# Altium PCB EE209_PCB.PcbDoc
Units mm, origin at the board's own origin, x right, y up, seen from the top; angles counter-clockwise.
Board outline 113 x 97.79 mm, 2 copper layers (Top Layer, Bottom Layer); 55 components, 37 nets, 195 pads, 1 vias.
Unrouted connection lines stored in the file: 54.
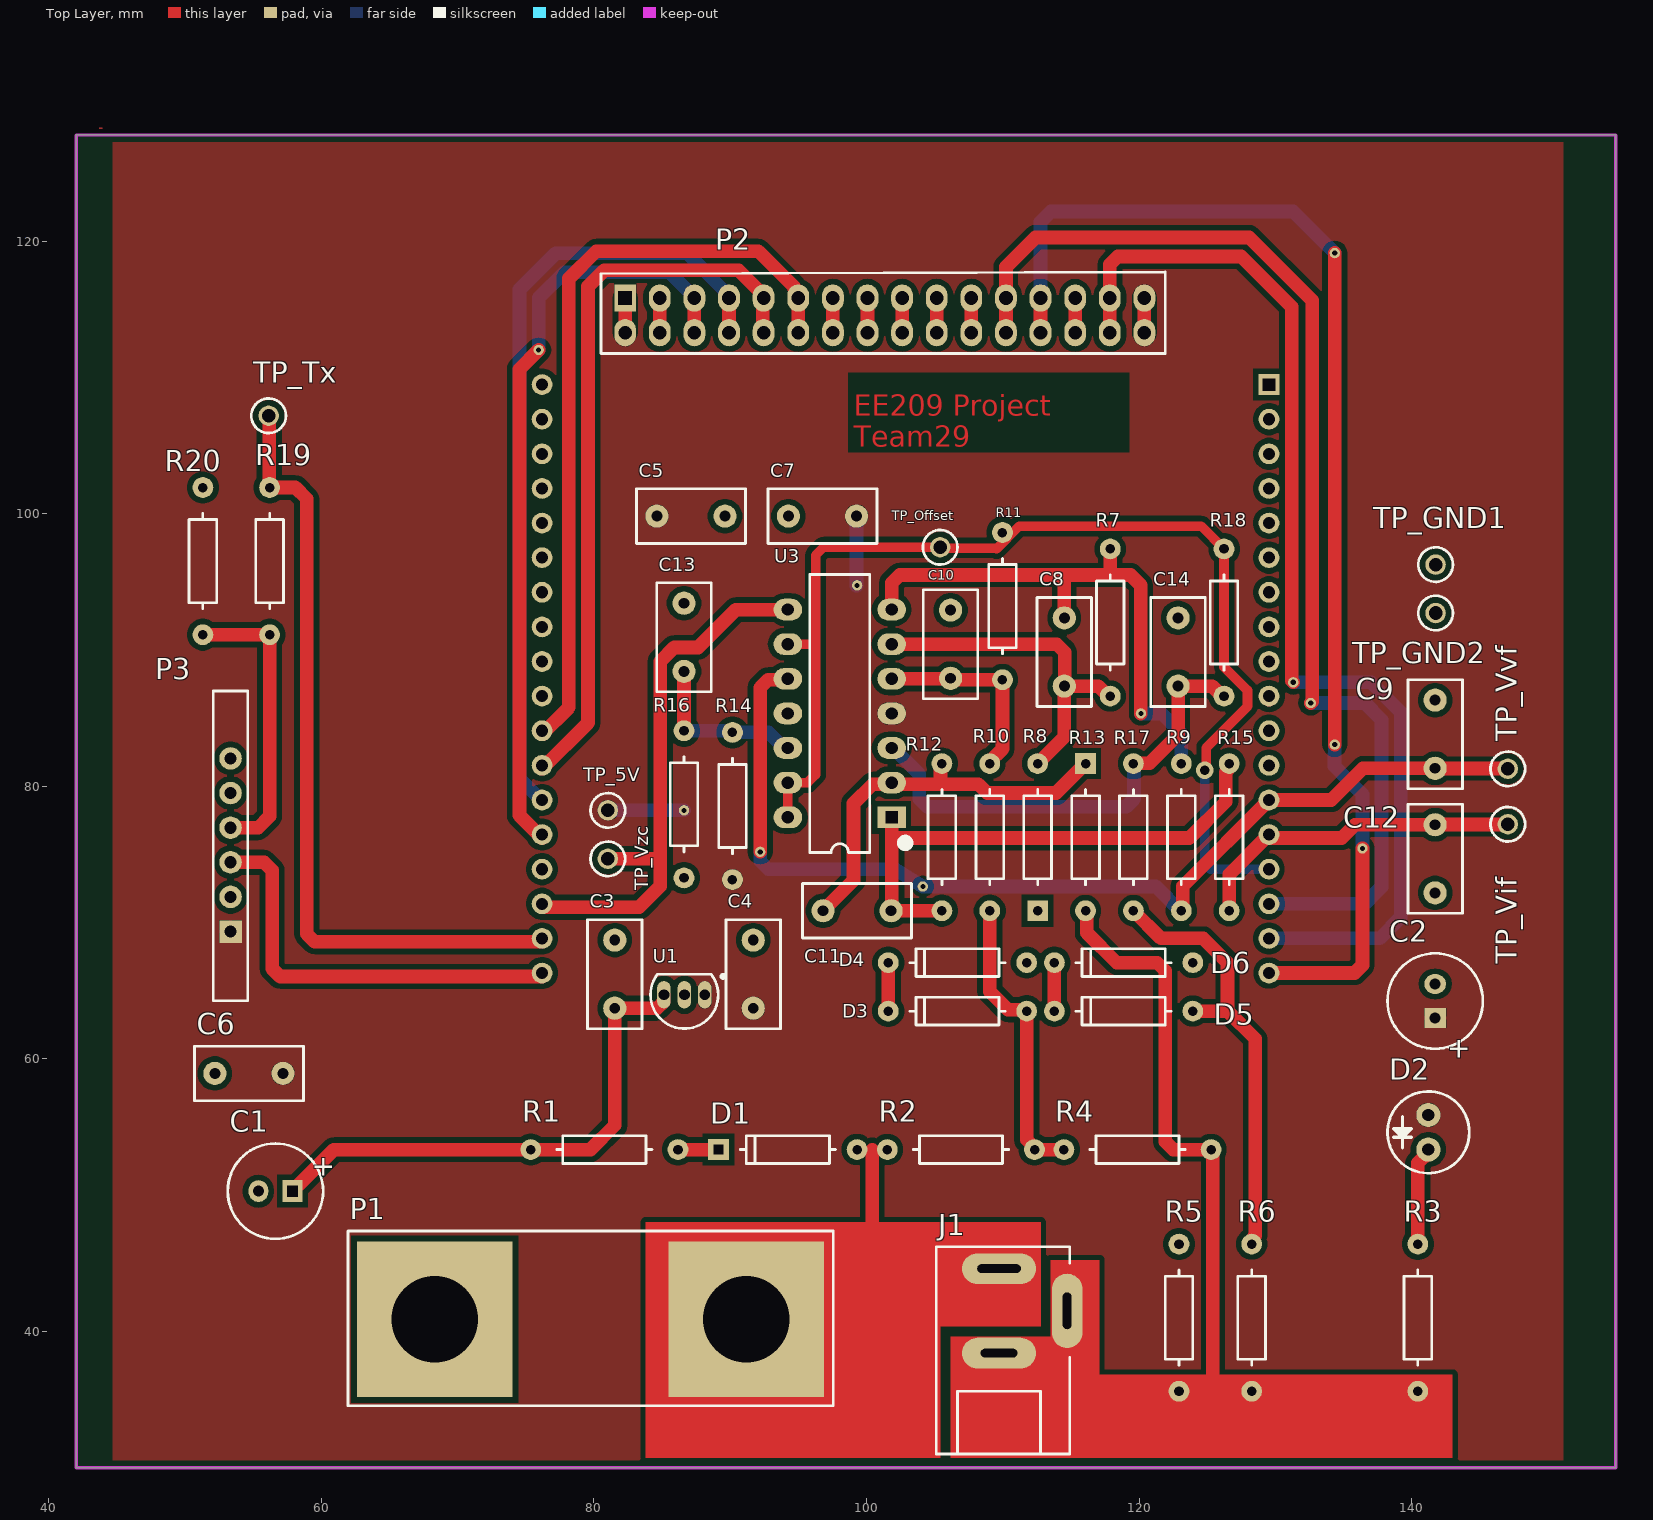
[diagram p0: Top Layer view]
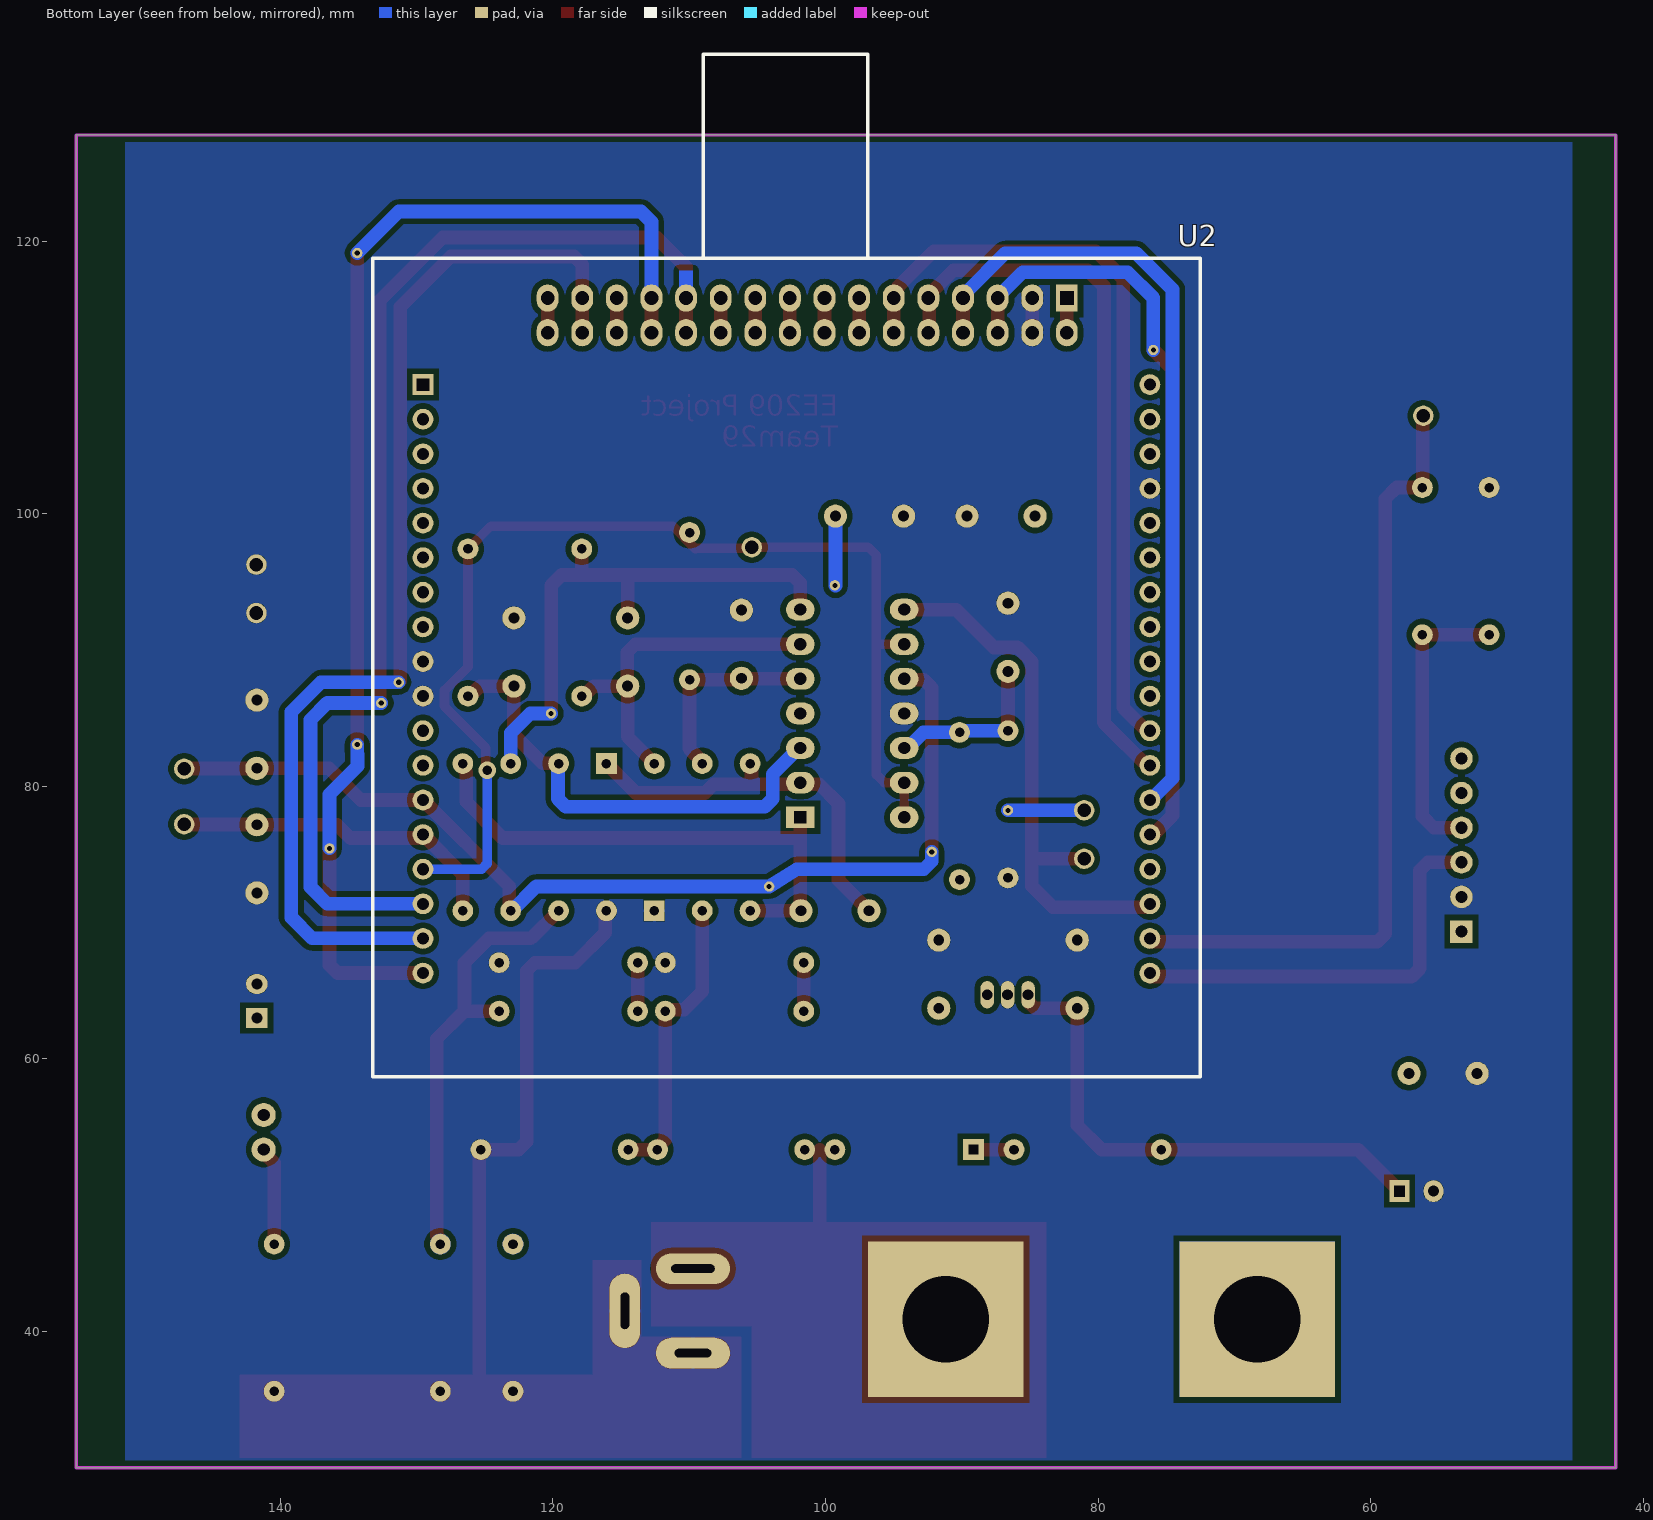
[diagram p1: Bottom Layer view, seen from below]
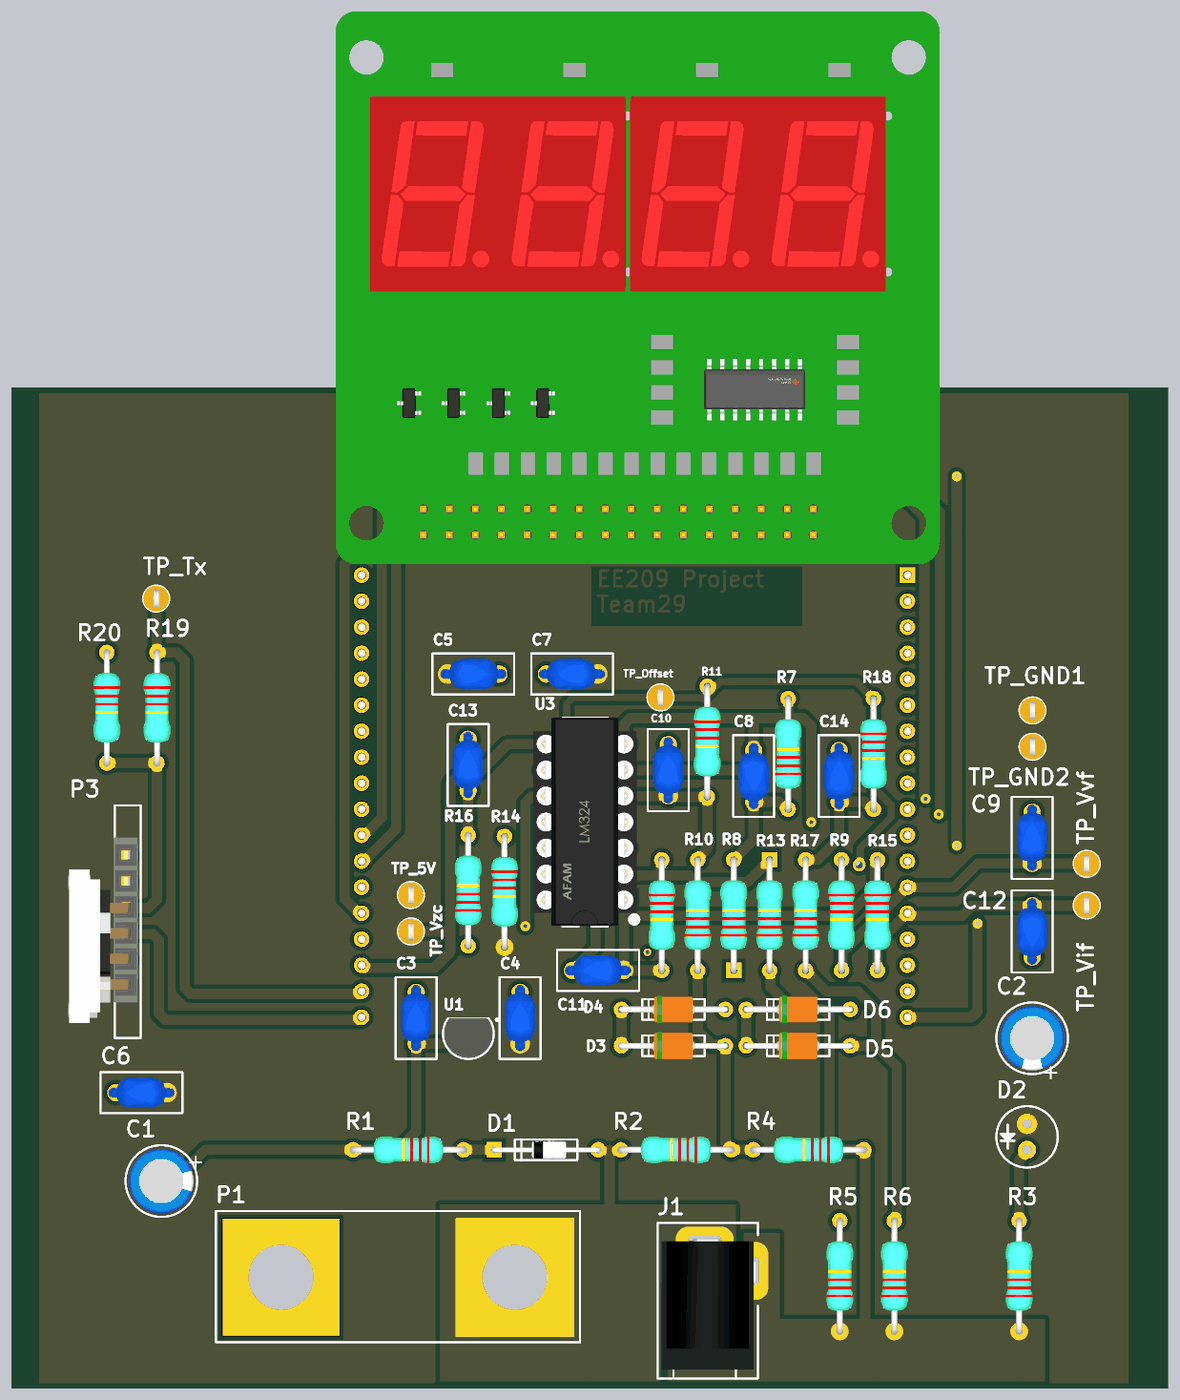
[diagram p2: 3D render of the assembled board from above, using the file's embedded part models]

## Layer stack, top to bottom
Top Solder: solder mask 0.0102, Solder Resist, Dk 3.5
Top Layer: signal copper 0.0356
Dielectric 1: dielectric 0.32, FR-4, Dk 4.8
Bottom Layer: signal copper 0.0356
Bottom Solder: solder mask 0.0102, Solder Resist, Dk 3.5

## Board outline
42,30 42,127.79 155,127.79 155,30

## Design rules (kind name [scope] priority, off if disabled: settings)
BoardOutlineClearance [All] p1: gap=0.5 ignorepadtopadclearanceinfootprint=FALSE
Clearance [All] p1: gap=0.4 ignorepadtopadclearanceinfootprint=FALSE
Height [All] p1: minheight=0 maxheight=50 prefheight=12.7
HoleSize [All] p1: absolutevalues=TRUE maxlimit=6 minlimit=0.5 maxpercent=80.000 minpercent=20.000
MinimumAnnularRing [All] p1: minimumring=0.076
MinimumSolderMaskSliver [All] p1: minsoldermaskwidth=0.1
PlaneConnect [All] p1: planeconnectstyle=Relief reliefexpansion=0.6 reliefentries=4 reliefconductorwidth=0.6 reliefairgap=0.4
PolygonConnect PolygonConnect_1 [InNet('Isensp')] p1: connectstyle=Direct reliefconductorwidth=0.6 reliefentries=4 polygonreliefangle="90 Angle" airgapwidth=0.4
RoutingCorners [All] p1: cornerstyle=Round minsetback=2.54 maxsetback=2.54
RoutingVias [All] p1: holewidth=0.6 width=1 viastyle="Through Hole" minholewidth=0.5 minwidth=0.8 maxholewidth=1 maxwidth=2
SilkToSilkClearance [All] p1: silktosilkclearance=0.1
SilkToSolderMaskClearance [IsPad] p1: minsilkscreentomaskgap=0.1 clearancetoexposedcopper=TRUE
SolderMaskExpansion [All] p1: expansion=0.102 istentingtop=FALSE
Width [All] p1: maxlimit=10 minlimit=0.4 preferedwidth=0.6
23 further rules are at their usual default settings.

## Components (designator, comment, footprint, x,y, rotation, side; value= is the part's Value field where it differs from the comment)
C1 "*" "CAP-RAD-2.5mm Pitch"#1 56.634,50.292 r180 top
C2 "*" "CAP-RAD-2.5mm Pitch"#2 141.732,64.242 r90 top
C3 "*" CCAP-5P0 81.534,66.214 r90 top
C4 "*" CCAP-5P0 91.694,66.214 r90 top
C5 "*" CCAP-5P0 87.122,99.822 r0 top
C6 "*" CCAP-5P0 54.688,58.928 r180 top
C7 "*" CCAP-5P0 96.774,99.822 r180 top
C8 "*" CCAP-5P0 114.519,89.85 r270 top
C9 "*" CCAP-5P0 141.732,83.82 r90 top
C10 "*" CCAP-5P0 106.172,90.424 r90 top
C11 "*" CCAP-5P0 99.314,70.866 r180 top
C12 "*" CCAP-5P0 141.732,74.676 r270 top
C13 "*" CCAP-5P0 86.614,90.932 r90 top
C14 "*" CCAP-5P0 122.867,89.85 r90 top
D1 "1N4148" AXIAL-DIODE-0.4 94.234,53.34 r180 top
D2 "Green" LED 141.234,54.61 r270 top
D3 "BZX79-CXVX" AXIAL-Zener-0.4 106.68,63.5 r180 top
D4 "BZX79-CXVX" AXIAL-Zener-0.4 106.68,67.056 r180 top
D5 "BZX79-CXVX" AXIAL-Zener-0.4 118.872,63.5 r180 top
D6 "BZX79-CXVX" AXIAL-Zener-0.4 118.872,67.056 r180 top
J1 "DC barrel jack" AC-Socket 109.728,38.608 r90 top value=socket
P1 "Dual Banana Plugs" "Dual Banana Plug" 79.756,40.894 r180 top
P2 "Display" Display 100.076,114.554 r180 top locked
P3 "BLE Module Header" HM10_HDR1X6 53.34,69.342 r90 top
R1 "33" AXIAL-0.4#1 80.772,53.34 r180 top
R2 "82k" AXIAL-0.4#1 106.934,53.34 r180 top
R3 "*" AXIAL-0.4#1 140.462,41.006 r90 top
R4 "3k9" AXIAL-0.4#1 119.888,53.34 r180 top
R5 "1" AXIAL-0.4#1 122.936,41.006 r90 top
R6 "1" AXIAL-0.4#1 128.27,41.006 r90 top
R7 "*" AXIAL-0.4#1 117.891,92.014 r90 top
R8 "*" AXIAL-0.4#2 112.564,76.266 r90 top
R9 "*" AXIAL-0.4#1 123.105,76.266 r270 top
R10 "*" AXIAL-0.4#1 109.05,76.266 r90 top
R11 "*" AXIAL-0.4#1 109.982,93.218 r270 top
R12 "*" AXIAL-0.4#1 105.536,76.266 r270 top
R13 "*" AXIAL-0.4#3 116.077,76.266 r90 top
R14 "*" AXIAL-0.4#1 90.17,78.552 r270 top
R15 "*" AXIAL-0.4#1 126.618,76.266 r270 top
R16 "*" AXIAL-0.4#1 86.614,78.674 r90 top
R17 "*" AXIAL-0.4#1 119.591,76.266 r90 top
R18 "*" AXIAL-0.4#1 126.238,92.014 r270 top
R19 "*" AXIAL-0.4#1 56.206,96.52 r270 top
R20 "*" AXIAL-0.4#1 51.308,96.52 r270 top
TP_5V "5003" TP_TH 81.026,78.232 r90 top
TP_GND1 "5003" TP_TH 141.764,96.266 r90 top
TP_GND2 "5003" TP_TH 141.764,92.71 r90 top
TP_Offset "5003" TP_TH 105.41,97.536 r90 top
TP_Tx "5003" TP_TH 56.134,107.188 r90 top
TP_Vif "5003" TP_TH 147.066,77.216 r90 top
TP_Vvf "5003" TP_TH 147.066,81.28 r90 top
TP_Vzc "5003" TP_TH 81.026,74.676 r90 top
U1 "L78L05ACZ" TO-92 86.638,64.698 r90 top
U2 "ATmega328PB Xplained Mini Header" "ATmeg328P Xplained" 102.87,87.884 r180 bottom locked
U3 "LM324" DIP-14 98.044,85.344 r180 top

## Footprints (in the part's own frame and the unit in brackets; to place one, negate y for a bottom-side part, rotate by r counter-clockwise, add the part's x,y. Pads: shape width x height; smd on the part's side, far side on the other; paste and mask are expansions set on the pad)
AC-Socket [mm]
  oval 2.25x5.45 hole 0.635 slot 3.175 at 90 deg: 1(6,0)
  oval 5.45x2.25 hole 0.635 slot 2.667 at 0 deg: 2(2.9,-5)
  oval 2.25x5.45 hole 0.635 slot 2.667 at 90 deg: 3(-0.2,0)
  silkscreen extent -7.6,-5.2 7.6,4.6, body extent -6.7,-5 6,4.2, height 10.5
"ATmeg328P Xplained" [mil]
  rect 60x60 hole 35 square: 1(-1050,850)
  round 60 hole 35: 2(-1050,750) 3(-1050,650) 4(-1050,550) 5(-1050,450) 6(-1050,350) 7(-1050,250) 8(-1050,150) 9(-1050,50) 10(-1050,-50) 11(-1050,-150) 12(-1050,-250) 13(-1050,-350) 14(-1050,-450) 15(-1050,-550) 16(-1050,-650) 17(-1050,-750) 18(-1050,-850) 19(1050,-850) 20(1050,-750) 21(1050,-650) 22(1050,-550) 23(1050,-450) 24(1050,-350) 25(1050,-250) 26(1050,-150) 27(1050,-50) 28(1050,50) 29(1050,150) 30(1050,250) 31(1050,350) 32(1050,450) 33(1050,550) 34(1050,650) 35(1050,750) 36(1050,850)
  silkscreen extent -1195,-1150 1195,1805, body extent -1201,-1150 1161,1845, height 452
AXIAL-0.4#1 [mm]
  round 1.524 hole 0.7: 1(-5.4,0) 2(5.4,0)
  silkscreen extent -3.5,-1.02 3.5,1.02, body extent -5.7,-1.3 5.7,1.3, height 2.7
AXIAL-0.4#2 [mm]
  rect 1.524x1.524 hole 0.7: 1(-5.4,0)
  round 1.524 hole 0.7: 2(5.4,0)
  silkscreen extent -3.5,-1.02 3.5,1.02, body extent -5.7,-1.3 5.7,1.3, height 2.7
AXIAL-0.4#3 [mm]
  round 1.524 hole 0.7: 1(-5.4,0)
  rect 1.524x1.524 hole 0.7: 2(5.4,0)
  silkscreen extent -3.5,-1.02 3.5,1.02, body extent -5.7,-1.3 5.7,1.3, height 2.7
AXIAL-DIODE-0.4 [mil]
  round 60 hole 27.56: 1(-200,0)
  rect 60x60 hole 27.56 square: 2(200,0)
  silkscreen extent -138,-40 138,40, body extent -209,-34 209,34, height 73
AXIAL-Zener-0.4 [mil]
  round 60 hole 27.56: 1(-200,0) 2(200,0)
  silkscreen extent -138,-40 138,40, body extent -211,-52 211,52, height 92
"CAP-RAD-2.5mm Pitch"#1 [mm] "Cap 6.3 X 11.2"
  rect 1.45x1.6 hole 0.8 square: 1(-1.25,0)
  oval 1.45x1.6 hole 0.8: 2(1.25,0)
  silkscreen extent -3.5,-3.5 3.5,3.5, body extent -3.15,-3.15 3.15,3.15, height 11.5
"CAP-RAD-2.5mm Pitch"#2 [mm] "Cap 6.3 X 11.2"
  rect 1.45x1.6 hole 0.8: 1(-1.25,0)
  oval 1.45x1.6 hole 0.8: 2(1.25,0)
  silkscreen extent -3.5,-3.5 3.5,3.5, body extent -3.15,-3.15 3.15,3.15, height 11.5
CCAP-5P0 [mm]
  round 1.7 hole 0.8: 1(-2.5,0) 2(2.5,0)
  silkscreen extent -4,-2 4,2, body extent -3.25,-1.5 3.25,1.5, height 6.5
DIP-14 [mm] "DIP; 14 Leads; Row Spacing 7.62 mm; Pitch 2.54 mm"
  rect 2.1x1.6 hole 0.9 square: 1(-3.81,7.62)
  oval 2.1x1.6 hole 0.9: 2(-3.81,5.08) 3(-3.81,2.54) 4(-3.81,0) 5(-3.81,-2.54) 6(-3.81,-5.08) 7(-3.81,-7.62) 8(3.81,-7.62) 9(3.81,-5.08) 10(3.81,-2.54) 11(3.81,0) 12(3.81,2.54) 13(3.81,5.08) 14(3.81,7.62)
  silkscreen extent -5.1,-10.2 2.2,10.2, body extent -5.07,-10.2 5.09,10.12, height 9.47
Display [mm]
  rect 1.6x2 hole 1 square: 1(17.78,-1.27)
  oval 1.6x2 hole 1: 2(17.78,1.27) 3(15.24,-1.27) 4(15.24,1.27) 5(12.7,-1.27) 6(12.7,1.27) 7(10.16,-1.27) 8(10.16,1.27) 9(7.62,-1.27) 10(7.62,1.27) 11(5.08,-1.27) 12(5.08,1.27) 13(2.54,-1.27) 14(2.54,1.27) 15(0,-1.27) 16(0,1.27) 17(-2.54,-1.27) 18(-2.54,1.27) 19(-5.08,-1.27) 20(-5.08,1.27) 21(-7.62,-1.27) 22(-7.62,1.27) 23(-10.16,-1.27) 24(-10.16,1.27) 25(-12.7,-1.27) 26(-12.7,1.27) 27(-15.24,-1.27) 28(-15.24,1.27) 29(-17.78,-1.27) 30(-17.78,1.27) 31(-20.32,-1.27) 32(-20.32,1.27)
  silkscreen extent -21.84,-3.18 19.56,2.79, body extent -32.6,-50 26.4,4, height 13
"Dual Banana Plug" [mm] "Connector; 2 Position"
  rect 11.43x11.43 hole 6.35: 1(-11.43,0) 2(11.43,0)
  silkscreen extent -17.8,-6.48 17.8,6.35, body extent -17.38,-5.99 17.43,5.99, height 5.5
HM10_HDR1X6 [mil] "Connector; Header; 6 Position"
  rect 65x65 hole 35.43: 1(0,0)
  round 65 hole 35.43: 2(100,0) 3(200,0) 4(300,0) 5(400,0) 6(500,0)
  silkscreen extent -200,-50 695,50, body extent -142,-39 571,228, height 1843
LED [mil]
  round 70 hole 35.43: 1(-50,0) 2(50,0)
  silkscreen extent -118,-118 118,118, body extent -98,-98 98,98, height 413
TO-92 [mm] "TO, Flat Index; 3 In-Line, Axial Leads; Body Dia. 4.5mm; Leads 0.51 x 0.48 mm (max)"
  oval 2x1 hole 0.8: 1(0,-1.5) 2(0,0) 3(0,1.5)
  silkscreen extent -2.48,-2.96 1.5,2.48, body extent -2.4,-2.4 1.53,2.4, height 6.73
TP_TH [mm] "Test Point, Through Hole, Dia 2.54mm"
  round 1.5 hole 1: 1(0,0)
  silkscreen extent -1.27,-1.27 1.27,1.27, body extent -1.27,-1.27 1.27,1.27, height 4.57

## Part data
C1 C2: library part ElecCap_TH_2P0, "Electrolytic capacitor with radial package, 2mm pitch and 5.2mm diameter", LatestRevisionDate=17-Jul-2002, LatestRevisionNote="Re-released for DXP Platform.", PackageDescription="Polarized Capacitor; 2 Leads", PackageReference=POLAR0.8, Published=8-Jun-2000, Publisher="Altium Limited"
C3 C4 C5 C6 C7 C8 C9 C10 C11 C12 C13 C14: library part CerCap_TH_5P0, "TH ceramic capacitor with 5mm pitch"
D1: library part 1N4148_TH_4AX0, "1N4148 100V 200mA axial diode", Capacitance @ Vr, F="4pF @ 0V, 1MHz", Current - Average Rectified (Io)=200mA, Manufacturer="ON Semiconductor", Manufacturer Part Number=1N4148TR, Operating Temperature - Junction="-65°C ~ 175°C", Package / Case="DO-204AH, DO-35, Axial", Supplier Device Package=DO-35, Supplier Part Number 1=1N4148FSCT-ND, Base Part Number=1N4148, Category="Discrete Semiconductor Products", ComponentLink1Description=https://www.fairchildsemi.com/datasheets/1N/1N914.pdf, ComponentLink1URL=https://www.fairchildsemi.com/datasheets/1N/1N914.pdf, Diode Type=Standard, Mounting Type="Through Hole", Part Status=Active, Pricing 1="1=0.16, 10=0.109, 100=0.0592, 500=0.03648, 1000=0.02488 (NZD)", RoHS="RoHS Compliant", Speed="Small Signal =< 200mA (Io), Any Speed", Stock 1=1658049, Supplier 1=Digi-Key
D2: library part LED_TH_2P54, "Typical throughole GaAs LED with 2.54mm pitch", Manufacturer="Generic Components", Class I=Optoelectronic, Class II=LED, Published=8-Jun-2000, Publisher="Altium Limited", Revision="July-2002: Re-released for DXP Platform."
D3 D4 D5 D6: library part Zener_TH_4AX0, "Axial zener diode BZX79 series", Manufacturer="Nexperia USA Inc.", Manufacturer Part Number=BZX79-C4V7,143, Operating Temperature="-65°C ~ 200°C", Package / Case="DO-204AH, DO-35, Axial", Supplier Device Package=DO-35, Supplier Part Number 1=1727-1864-1-ND, Tolerance=±5%, Category="Discrete Semiconductor Products", ComponentLink1Description=https://assets.nexperia.com/documents/data-sheet/BZX79.pdf, ComponentLink1URL=https://assets.nexperia.com/documents/data-sheet/BZX79.pdf, Mounting Type="Through Hole", Packaging="Cut Tape (CT)", Part Status=Active, Pricing 1="1=0.23, 10=0.206, 100=0.1123, 500=0.06912, 1000=0.04714 (NZD)", RoHS="RoHS Compliant", Stock 1=8933, Supplier 1=Digi-Key
J1: library part AC_Input, "DC barrel jack connection to AC source"
P1: library part AC_Output, "Dual banana plugs connection to the AC load", LatestRevisionDate=17-Jul-2002, LatestRevisionNote="Re-released for DXP Platform.", Publisher="Altium Limited"
P2: "16-Pin Header Connecting Display"
P3: library part BLEModule_TH, "2.54mm pitch 6-pin header for BLE module", LatestRevisionDate=17-Jul-2002, LatestRevisionNote="Re-released for DXP Platform.", Publisher="Altium Limited"
R1 R2 R3 R4 R5 R6 R7 R8 R9 R10 R11 R12 R13 R14 R15 R16 R17 R18 R19 R20: library part Res_TH_0AX4, "Through hole resistor", ComponentLink1Description=http://www.royalohm.com/pdf/product2017/PrecisionMetalMF.pdf, LatestRevisionDate=17-Jul-2002, LatestRevisionNote="Re-released for DXP Platform.", PackageReference=AXIAL-0.4, Published=8-Jun-2000, Publisher="Altium Limited"
TP_5V TP_GND1 TP_GND2 TP_Offset TP_Tx TP_Vif TP_Vvf TP_Vzc: library part TestPoint, "Test Point, Orange, 1-Pin THD, RoHS", Forward Current="3 A", Forward Voltage="1.08 V", Max Operating Temperature="150 degC", Max Surge Current="80 A", Min Operating Temperature="-65 degC", Package Quantity=500, Peak Reverse Current="600 uA", ComponentLink1Description="Manufacturer URL", ComponentLink1URL=http://www.keyelco.com/, ComponentLink2Description=Datasheet, ComponentLink2URL=http://keyelco.com/userAssets/file/M65p56.pdf, DatasheetVersion=Jun-15, Diameter="5.3 mm", Height="0.25 inch", Length="9.5 mm", Mount="Through Hole", PackageDescription="1-Pin Through Hole Device, Dia 2.54 mm", PackageReference=5003, Packaging=Bulk, Pins=2, Radiation Hardening=No, REACH SVHC="No SVHC", RoHSCompliant=true, Weight="0.01 lb", Width="0.25 inch"
U1: library part L78L05_TH_TO92, "Voltage Regulator 5V", Base Part Number=LM78L05, Current - Output=100mA, Manufacturer="ON Semiconductor", Manufacturer Part Number=LM78L05ACZX, Operating Temperature="-40°C ~ 125°C", Package / Case="TO-226-3, TO-92-3 (TO-226AA) (Formed Leads)", Supplier Device Package=TO-92-3, Supplier Part Number 1=LM78L05ACZXCT-ND, Voltage - Input (Max)=30V, Voltage - Output (Max)=-, Voltage - Output (Min/Fixed)=5V, Category="Integrated Circuits (ICs)", ComponentLink1Description=https://www.fairchildsemi.com/datasheets/MC/MC78L05A.pdf, ComponentLink1URL=https://www.fairchildsemi.com/datasheets/MC/MC78L05A.pdf, Control Features=-, Mounting Type="Through Hole", Output Configuration=Positive, Output Type=Fixed, Packaging="Cut Tape (CT)", Part Status=Active, Pricing 1="1=0.69, 10=0.517, 100=0.3226, 500=0.2207, 1000=0.16976 (NZD)", Protection Features="Over Temperature, Short Circuit", PSRR="80dB (120Hz)", RoHS="RoHS Compliant", Stock 1=7782, Supplier 1=Digi-Key, Voltage Dropout (Max)=-
U2: library part ATmega328PBXplained_TH, "Dual 18-pin headers connecting to ATmega328PB Xplained Mini", Manufacturer="Microchip Technology", Manufacturer Part Number=ATMEGA328PB-XMINI, Operating System=-, Supplier Part Number 1=ATMEGA328PB-XMINI-ND, Board Type="Evaluation Platform", Category="Development Boards, Kits, Programmers", ComponentLink1Description=http://www.microchip.com/mymicrochip/filehandler.aspx?ddocname=en589665, ComponentLink1URL=http://www.microchip.com/mymicrochip/filehandler.aspx?ddocname=en589665, Contents=Board(s), Core Processor=AVR, For Use With/Related Products=ATmega328P, Mounting Type=Fixed, Part Status=Active, Platform="ATmega328P Xplained Mini", Pricing 1="1=15.11 (NZD)", RoHS="RoHS Compliant", Stock 1=454, Supplier 1=Digi-Key, Type="MCU 8-Bit"
U3: library part LM324N_TH_DIP16, "IC OPAMP GP 14DIP", Current - Supply=1mA, Manufacturer="ON Semiconductor", Manufacturer Part Number=LM324N, Operating Temperature="0°C ~ 70°C", Package / Case="14-DIP (0.300\", 7.62mm)", Supplier Device Package=14-DIP, Supplier Part Number 1=LM324NFS-ND, Voltage - Supply, Single/Dual (±)="3 V ~ 32 V, ±1.5 V ~ 16 V", Amplifier Type="General Purpose", Base Part Number=LM324, Category="Integrated Circuits (ICs)", ComponentLink1Description=https://www.fairchildsemi.com/datasheets/LM/LM2902.pdf, ComponentLink1URL=https://www.fairchildsemi.com/datasheets/LM/LM2902.pdf, Mounting Type="Through Hole", Output Type=-, Packaging=Tube, Part Status=Active, Pricing 1="1=0.9, 10=0.775, 100=0.5789, 500=0.45482, 1000=0.35145 (NZD)", RoHS="RoHS Compliant", Slew Rate=-, Stock 1=2900, Supplier 1=Digi-Key

## Free pads (board coordinates)
  round 0.762 hole 0.381: 3(75.946,112.014) 3(86.614,78.232) 3(92.202,75.184) 3(99.314,94.742) 3(104.14,72.644) 3(120.142,85.344) 3(131.318,87.63) 3(132.602,86.106) 3(134.366,83.058) 3(134.366,119.126) 3(136.398,75.438)

## Via types
v1: diameter 1.27, hole 0.711, Top Layer to Bottom Layer, 1 vias

## Nets (pads, with @x,y where several pads share a name; then routed paths per layer and width w, separated by ;. In a path a pad name is that pad's centre, name@x,y a point inside that pad or via, vN(x,y) a via of type N, cw(c..) or ccw(c..) an arc to the next point about the centre after c; other vN are vias at no path point)
5V: C2.1 C4.1 C5.1 C6.1 C7.1 D2.1 P2.1 P2.2 P2.31 P2.32 P3.1 pad.3@86.614,78.232 pad.3@99.314,94.742 R14.2 TP_5V.1 U1.1 U3.4 | length 15.8
  Top Layer w1: P2.2 82.294,113.286 82.294,115.822 P2.1 ; P2.32 P2.31
  Bottom Layer w1: TP_5V.1 pad.3@86.614,78.232 ; pad.3@99.274,94.723 C7.1
DS1: P2.5 P2.6 pad.3@75.946,112.014 U2.23 | length 56.5
  Top Layer w1: pad.3@75.946,112.014 74.538,110.606 74.538,77.862 U2.23@76.2,76.2 ; P2.6 P2.5
  Bottom Layer w1: pad.3@75.946,112.014 75.946,115.824 77.846,117.724 85.54,117.724 87.376,115.888 P2.5
DS2: P2.7 P2.8 U2.24 | length 58.9
  Top Layer w1: P2.8 P2.7
  Bottom Layer w1: U2.24@76.2,78.74 76.2,78.882 75.938,79.144 75.938,79.192 74.538,80.592 74.538,116.448 77.214,119.124 86.816,119.124 89.72,116.22 89.72,116.02 P2.7
DS3: P2.9 P2.10 U2.25 | length 53.6
  Top Layer w1: U2.25@76.2,81.28 79.568,84.648 79.568,116.677 80.747,117.856 90.624,117.856 92.26,116.22 92.26,116.02 P2.9 ; P2.10@92.399,113.341 P2.9@92.399,115.767
DS4: P2.11 P2.12 U2.26 | length 56.2
  Top Layer w1: U2.26@76.2,83.82 78.168,85.788 78.168,117.256 80.167,119.256 92.072,119.256 94.696,116.632 94.696,116.486 94.996,116.186 P2.12
GND: C1.2 C2.2 C3.2 C4.2 C5.2 C6.2 C7.2 C9.2 C10.2 C12.2 C13.2 C14.2 D4.1 D6.1 J1.2 J1.3 P2.3 P2.4 P3.2 R3.1 R4.1 R5.1 R6.1 R8.1 R13.1 R16.1 R20.1 TP_GND1.1 TP_GND2.1 U1.2 U2.9 U2.10 U2.33 U3.11 | length 63.2
  Top Layer w0.6: J1.2 J1.2@114.834,41.402
  Top Layer w1: C6.2@52.122,58.993 C6.2 ; C3.2@81.414,68.834 C3.2 ; P2.4 P2.3 ; R8.1@112.564,70.822 R8.1 ; R13.1 116.178,70.766 116.178,69.242 118.364,67.056 121.334,67.056 121.92,66.47 121.92,53.926 122.506,53.34 R4.1 125.388,53.24 125.388,52.869 125.423,52.835 125.423,35.794 125.611,35.606 ; R5.1 R3.1 ; U2.10@129.54,86.36 U2.10@129.56,86.34 ; C9.2@141.712,86.34 C9.2 C9.2@141.748,86.336 ; TP_GND2.1@141.748,92.694 TP_GND2.1
Imeas: C12.1 R15.2 TP_Vif.1 U2.14 | length 24.7
  Top Layer w1: R15.2 126.618,73.532 U2.14 ; U2.14@129.54,76.2 134.874,76.2 135.85,77.176 C12.1 ; C12.1@141.752,77.196 147.046,77.196 TP_Vif.1
Isensp: D5.1 P1.2 R5.2 R6.2 R17.1 | length 32.7
  Top Layer w1: R17.1@119.548,70.909 121.623,68.834 124.714,68.834 126.492,67.056 126.492,63.5 ; D5.1 126.492,63.5 ; R6.2 128.37,46.507 128.37,46.877 128.524,47.031 128.524,61.468 126.492,63.5
LED1: P2.13 P2.14 | length 2.5
  Top Layer w1: P2.14 P2.13
LED2: P2.15 P2.16 | length 2.5
  Top Layer w1: P2.16 P2.15
LED3: P2.17 P2.18 | length 2.5
  Top Layer w1: P2.18 P2.17
LED4: P2.19 P2.20 | length 2.5
  Top Layer w1: P2.20 P2.19
NetC8_1: C8.1 pad.3@120.142,85.344 R7.2 R9.1 U3.7 | length 41.3
  Top Layer w1: U3.7 101.854,94.918 102.44,95.504 114.3,95.504 ; C8.1 114.519,95.285 114.3,95.504 ; 117.602,95.504 117.891,95.793 R7.2 ; pad.3@120.142,85.344 120.142,94.742 119.38,95.504 114.3,95.504
  Bottom Layer w1: pad.3@120.142,85.344 121.666,85.344 123.105,83.905 R9.1
NetC8_2: C8.2 R7.1 R8.2 U3.6 | length 25.6
  Top Layer w1: U3.6 113.968,90.424 114.554,89.838 114.554,87.385 C8.2 ; R8.2 114.519,83.622 C8.2 ; R7.1 117.749,86.614 117.013,87.35 C8.2
NetC10_1: C10.1 R10.2 R11.2 U3.5 | length 14.8
  Top Layer w1: U3.5 105.769,87.884 105.983,87.67 106.172,87.67 106.306,87.804 106.801,87.804 106.815,87.818 R11.2 109.982,82.74 109.05,81.808 R10.2
NetC11_1: C11.1 R12.2 R15.1 U3.1 | length 39.1
  Top Layer w1: C11.1@101.815,70.865 R12.2@105.536,70.865 ; C11.1@101.854,70.906 101.854,76.2 ; U3.1 101.854,76.2 ; R15.1 126.518,81.566 126.518,81.195 126.362,81.039 126.362,78.864 123.698,76.2 101.854,76.2
NetC11_2: C11.2 R12.1 R13.2 U3.2 | length 29.2
  Top Layer w1: C11.2 99.052,73.104 99.052,78.732 100.469,80.149 101.739,80.149 U3.2 101.969,80.149 105.436,80.149 ; R12.1 105.436,81.566 105.436,80.149 ; R13.2 113.913,79.502 108.864,79.502 108.217,80.149 105.436,80.149
NetC13_1: C13.1 R14.1 R16.2 U3.12 | length 12.7
  Top Layer w1: R16.2 C13.1 ; R14.1 R14.1@90.312,83.952
  Bottom Layer w1: R16.2 90.17,84.074 R14.1 92.832,83.952 93.786,82.998 94.04,82.998 U3.12
NetC14_1: C14.1 R17.2 R18.2 U3.3 | length 34.9
  Top Layer w1: R17.2 119.609,81.684 120.772,81.684 122.867,83.779 C14.1 125.36,87.35 126.096,86.614 R18.2
  Bottom Layer w1: U3.3 101.968,82.804 103.886,80.886 103.886,79.072 104.472,78.486 119.048,78.486 119.634,79.072 119.634,81.623 R17.2
NetD1_2: D1.2 R1.1 | length 3
  Top Layer w1: R1.1 D1.2
NetD2_2: D2.2 R3.2 | length 7.3
  Top Layer w1: R3.2 140.462,52.358 141.234,53.129 D2.2
NetD3_2: D3.2 D4.2 | length 3.7
  Top Layer w1: D3.2@101.346,63.5 101.346,63.642 101.6,63.896 D4.2
NetD5_2: D5.2 D6.2 | length 3.6
  Top Layer w1: D5.2 D6.2
NetP3_4: P3.4 R19.2 R20.2 | length 21.4
  Top Layer w1: R20.2 R19.2 56.206,77.796 55.372,76.962 P3.4
OE: P2.27 P2.28 | length 2.5
  Top Layer w1: P2.28 P2.27
Offset: R11.1 R18.1 TP_Offset.1 U2.15 U3.9 U3.13 U3.14 | length 84.7
  Top Layer w0.7: U3.14 U3.13 95.68,80.264 96.266,80.85 96.266,90.424 ; U3.9 96.266,90.424 ; v1(124.833,81.173) 124.942,81.283 124.942,82.837 127.961,85.856 127.961,87.029 126.238,88.752 R18.1 124.576,99.076 111.205,99.076 109.543,97.414 109.482,97.475 105.471,97.475 TP_Offset.1 96.852,97.536 96.266,96.95 96.266,90.424
  Top Layer w1: U2.15@129.44,73.814 U2.15
  Bottom Layer w0.7: v1(124.833,81.173) 124.833,74.324 125.243,73.914 U2.15
RX: P3.3 U2.19 | length 30
  Top Layer w1: P3.3@53.848,74.422 55.802,74.422 56.388,73.836 56.388,66.626 56.974,66.04 U2.19@76.2,66.04
SH_CP: P2.23 P2.24 pad.3@132.602,86.106 U2.16 | length 86.5
  Top Layer w1: P2.24 P2.23 110.236,118.11 112.398,120.272 128.088,120.272 132.718,115.642 132.718,86.222 pad.3@132.602,86.106
  Bottom Layer w1: U2.16 136.574,71.374 137.798,72.598 137.798,84.882 136.574,86.106 pad.3@132.602,86.106
SH_DS: P2.29 P2.30 pad.3@131.318,87.63 U2.17 | length 81.9
  Top Layer w1: P2.30 117.856,118.286 118.442,118.872 127.508,118.872 131.202,115.178 131.202,87.746 pad.3@131.318,87.63
  Bottom Layer w1: U2.17 137.668,68.834 139.198,70.364 139.198,85.462 137.03,87.63 pad.3@131.318,87.63
SH_ST: P2.25 P2.26 pad.3@134.366,83.058 pad.3@134.366,119.126 pad.3@136.398,75.438 U2.18 | length 91.7
  Top Layer w1: P2.26@112.661,113.399 P2.26 P2.25 ; U2.18 135.812,66.294 136.398,66.88 pad.3@136.398,75.438 ; pad.3@134.366,83.058 134.366,85.598 pad.3@134.366,119.126
  Bottom Layer w1: P2.25 112.776,121.412 113.538,122.174 131.318,122.174 pad.3@134.366,119.126 ; pad.3@134.366,83.058 134.341,81.897 134.341,81.472 136.398,79.415 pad.3@136.398,75.438
SRCLR: P2.21 P2.22 | length 2.5
  Top Layer w1: P2.22 P2.21
TX: R19.1 TP_Tx.1 U2.20 | length 57.8
  Top Layer w1: TP_Tx.1 56.17,107.152 56.17,101.956 R19.1 58.1,101.92 58.928,101.092 58.928,69.166 59.514,68.58 U2.20@76.2,68.58
Vac: D1.1 J1.1 P1.1 R2.2 | length 10.9
  Top Layer w1: P1.1 P1.1@94.846,44.554 ; 100.33,47.752 100.424,47.752 100.424,53.34
Vmeas: C9.1 pad.3@92.202,75.184 pad.3@104.14,72.644 R9.2 TP_Vvf.1 U2.13 U3.10 | length 76.7
  Top Layer w1: pad.3@92.202,75.184 92.202,87.242 92.788,87.828 94.178,87.828 U3.10 ; R9.2 123.205,70.966 123.205,72.659 U2.13 134.112,78.994 136.438,81.32 C9.1 141.752,81.3 147.046,81.3 TP_Vvf.1
  Bottom Layer w1: pad.3@92.202,75.184 92.202,74.5 92.788,73.914 102.108,73.914 104.14,72.644 121.24,72.644 123.018,70.866 R9.2 R9.2@123.205,70.966
Vrect: C1.1 C3.1 R1.2 U1.3 | length 38.5
  Top Layer w1: C1.1 60.932,53.34 R1.2 79.756,53.34 81.534,55.118 C3.1 84.654,63.714 85.138,64.198 U1.3
Vsensp: D3.1 R2.1 R4.2 R10.1 | length 21.9
  Top Layer w1: R10.1@108.966,70.782 R10.1 109.05,64.94 110.39,63.6 111.66,63.6 D3.1 111.76,54.056 112.334,53.482 R2.1@112.334,53.36 ; R2.1 R2.1@112.334,53.36 ; R4.2 112.354,53.34 R2.1@112.334,53.36
Vzc: TP_Vzc.1 U2.21 U3.8 | length 40.7
  Top Layer w1: U2.21@76.2,71.12 83.312,71.12 84.864,72.672 84.864,74.676 ; TP_Vzc.1@80.93,74.58 TP_Vzc.1 84.864,74.676 ; U3.8 90.424,92.964 87.642,90.182 85.889,90.182 84.864,89.157 84.864,74.676
pads on no net: P3.5 P3.6 U2.1 U2.2 U2.3 U2.4 U2.5 U2.6 U2.7 U2.8 U2.11 U2.12 U2.22 U2.27 U2.28 U2.29 U2.30 U2.31 U2.32 U2.34 U2.35 U2.36

## Polygon pours and split planes (outlines as drawn)
5V on Top Layer "3" (solid, pour order 3): 151.13,127.511 151.13,30.229 44.704,30.229 44.704,127.759
no net on Top Layer "NONET_L01_P001" (solid, pour order 1): 43.942,128.27 43.688,128.27
Isensp on Bottom Layer "ISENSP_L02_P007" (solid, pour order 7): 131.883,31.463 58.985,31.463 58.985,40.099 58.985,45.941 cw(c63.176,44.798) 62.033,48.989 75.749,48.989 cw(c75.749,48.481) 76.257,48.481 76.257,35.019 120.453,35.019 ccw(c120.453,35.527) 120.961,35.527 120.961,47.875 cw(c121.019,47.91) 121.02,47.977 cw(c119.113,-52.294) 126.218,47.743 126.238,47.752 126.241,47.774 ccw(c126.034,47.699) 126.238,47.782 126.241,47.761 cw(c133.528,-52.207) 131.006,47.995 cw(c130.868,46.958) 131.883,46.703
GND on Bottom Layer "GND_L02_P004" (solid, pour order 4): 45.212,127.649 151.384,127.649 151.384,30 45.212,30

## Keep-outs
Keep-Out Layer:
  the board outline again, w0.254

## Other copper
Top Layer:
  region net Vac: 112.776,40.386 112.776,48.006 83.82,48.006 83.82,30.734 105.41,30.734 105.41,40.386
  region net GND: 117.094,45.212 113.538,45.212 113.538,39.624 106.172,39.624 106.172,30.734 143.002,30.734 143.002,36.83 117.094,36.83
  text "EE209 Project / Team29" at 99.06,104.902 h1.52
Bottom Layer:
  rectangle net SH_CP: 109.728,116.586 110.744,117.856

## Text inside footprints (layer, text, board x,y; h text height)
C1: Top Overlay "+" at 61.034,52.692 h1.5 r180
C2: Top Overlay "+" at 144.132,59.842 h1.5 r90